# Allegro board Microroc_Hardroc2b_Test_Board.brd (continued)
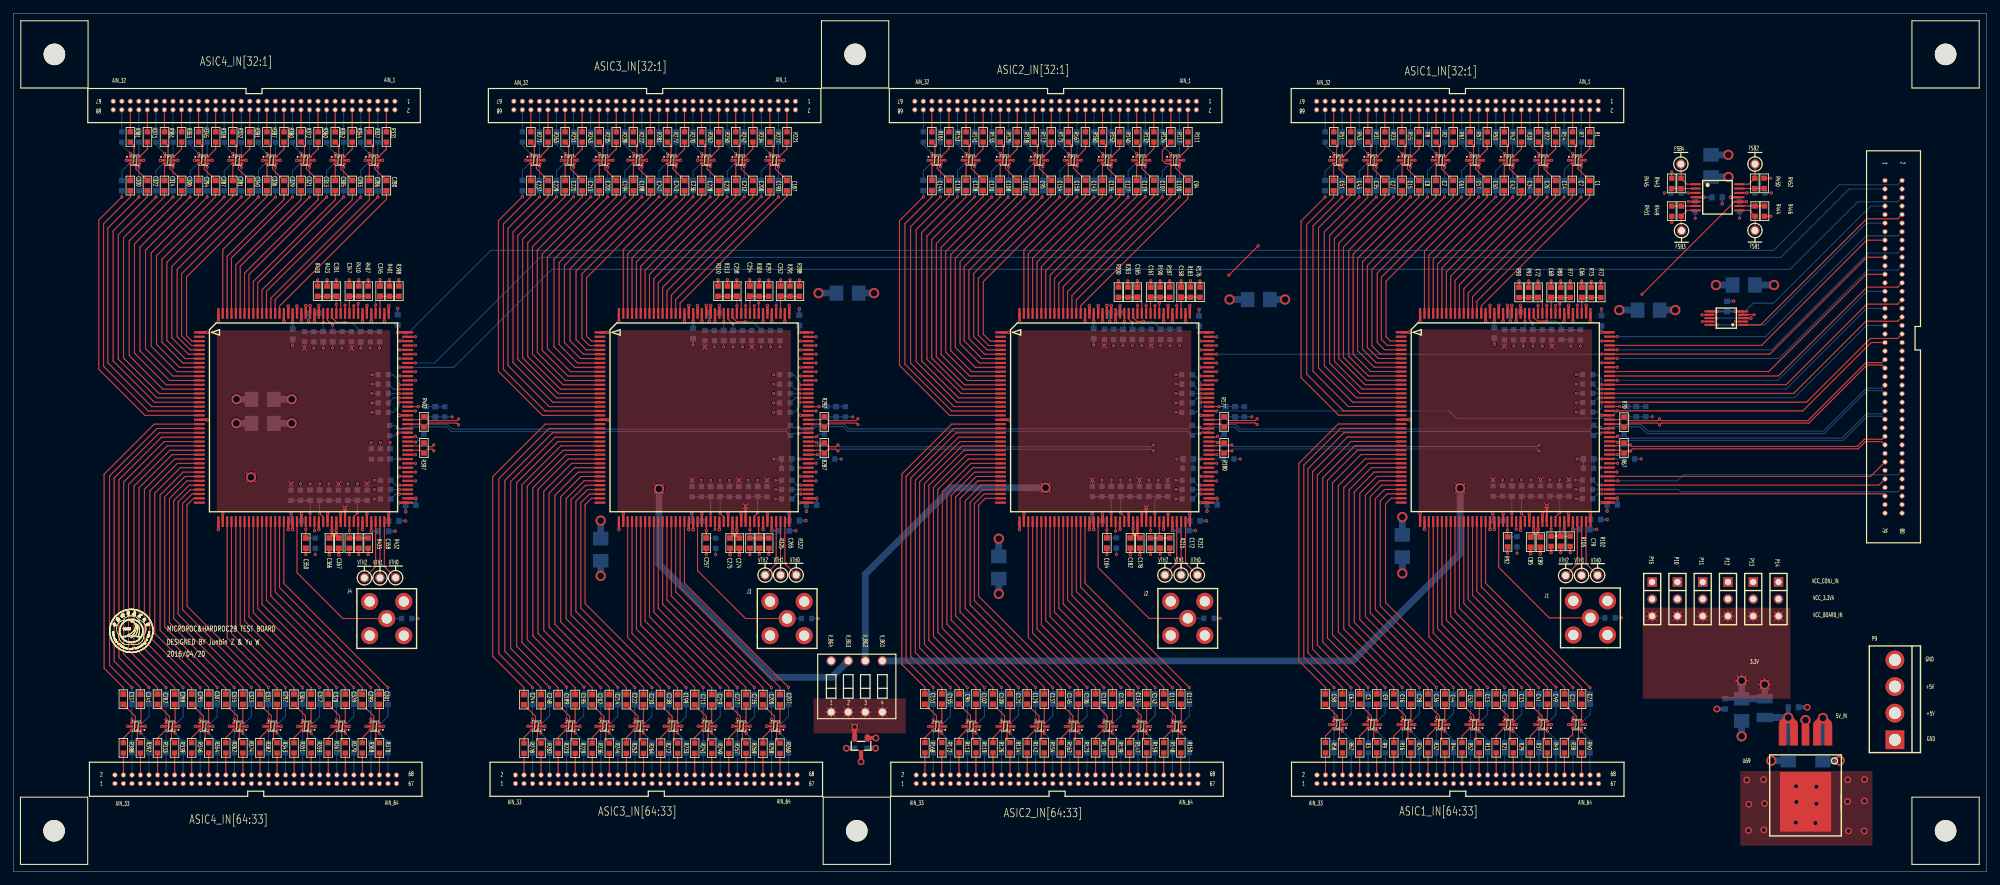
[diagram p0: board, top side]
## Routing (per net, layer and track width the routed paths; a pad name or vN(x,y) marks a point on that pad's centre or on a via; arc(x,y) is an arc through that point) (continued)
VCC3.3VA: length 230.7
  TOP w0.152: R407.1 v1(52.78,88.11) ; R102.1 v1(231.67,47.47) ; v1(112.39,88.09) R297.1 ; U37.5 v2(104.25,105.9) ; v1(57.35,88.11) R398.1 ; v1(45.26,88.11) R420.1 ; R90.1 v1(224.05,87.93) ; R200.1 164.44,87.03 v1(164.44,87.96) ; R288.1 v1(116.97,88.09) ; R322.1 v1(112.39,47.22) ; v1(176.58,87.93) 176.58,87.03 R176.1 ; R77.1 v1(231.67,87.93) ; R310.1 v1(104.85,88.11) ; R72.1 v1(236.22,87.93) ; v1(172.06,87.96) R187.1 ; R432.1 v1(52.78,47.19) ; v1(172.06,47.22) 172.06,48.15 R212.1
  TOP w0.305: U67.5 v2(52.48,21.61) ; U3.5 v1(223.8,105.9) ; U58.5 v2(24.46,105.89) ; U19.5 v1(169.11,105.9) ; U36.5 v2(109.28,105.9) ; U42.5 v2(78.95,105.9) ; U10.5 v1(200.94,21.89) ; U43.5 v2(76.58,21.63) ; U49.5 v2(107.04,21.63) ; U73.4 v2(251.55,100.39) ; U40.5 v2(89.21,105.9) ; U26.5 v1(136.19,21.61) ; U46.5 v2(91.77,21.63) ; U7.5 v1(203.48,105.9) ; U21.5 v1(158.93,105.9) ; U72.5 v2(256.22,83.4) ; U64.5 v2(37.24,21.61) ; U55.5 v2(39.7,105.89) ; U11.5 v1(206.02,21.89) ; U57.5 v2(29.57,105.89) ; U20.5 v1(164.01,105.9) ; U52.5 v2(54.91,105.89) ; U59.5 v2(19.38,105.89) ; U22.5 v1(153.87,105.9) ; U54.5 v2(44.78,105.89) ; U39.5 v2(94.22,105.9) ; U33.5 v1(171.83,21.61) ; U5.5 v1(208.58,105.9) ; U63.5 v2(32.16,21.61) ; U27.5 v1(141.27,21.61) ; U53.5 v2(49.86,105.89) ; U25.5 v1(143.71,105.9) ; U61.5 v2(22.07,21.61) ; U12.5 v1(211.07,21.89) ; U1.5 v1(233.93,105.9) ; U45.5 v2(86.69,21.63) ; U60.5 v2(16.99,21.61) ; U2.5 v1(228.9,105.9) ; U56.5 v2(34.62,105.89) ; U8.5 v1(198.4,105.9) ; U31.5 v1(161.59,21.61) ; U4.5 v1(218.74,105.89) ; U16.5 v1(231.42,21.89) ; U41.5 v2(83.9,105.9) ; U30.5 v1(156.51,21.61) ; U32.5 v1(166.67,21.61) ; U44.5 v2(81.66,21.63) ; U14.5 v1(221.23,21.89) ; U13.5 v1(216.15,21.89) ; U50.5 v2(112.09,21.63) ; U48.5 v2(101.93,21.63) ; U72.6 v2(253.47,83.4) ; U62.5 v2(27.08,21.61) ; U15.5 v1(226.34,21.89) ; U65.5 v2(42.32,21.61) ; U35.5 v2(114.61,105.9) ; U9.5 v1(195.86,21.89) ; U28.5 v1(146.35,21.61) ; U23.5 v1(138.63,105.9) ; U6.5 v1(213.61,105.9) ; U66.5 v2(47.4,21.61) ; U24.5 v1(148.79,105.9) ; U29.5 v1(151.46,21.61) ; U38.5 v2(99.26,105.9) ; U18.5 v1(174.17,105.9) ; U47.5 v2(96.85,21.63)
  TOP w0.33: U34.82 v2(179.14,55.57) ; U34.120 v2(176.42,80.27) ; C182.1 166.62,50.08 v1(166.62,51.02) U34.67 ; U34.80 175.07,53.27 v2(175.06,53.28) ; U51.120 v2(116.93,80.27) ; C85.1 226.23,50.26 v2(226.23,50.93) U17.67 ; C274.1 107.65,50.03 v2(107.65,50.84) U51.68 ; U17.137 v2(224.28,84.3) ; U34.68 v1(167.27,51.01) 167.27,50.03 C178.1 ; U68.82 v2(59.9,55.57) ; U51.82 v2(119.53,55.57) ; U68.143 v2(41.55,81.87) ; U51.67 v2(107,50.83) 107,50.02 C275.1 ; U34.137 v2(164.67,84.28) ; U51.143 v2(101.15,81.92) ; U17.120 v2(236.32,80.29) ; U17.80 234.68,53.31 v2(234.67,53.31) ; U51.60 v2(102.45,53.28) ; C366.1 47.4,50.04 v2(47.4,50.77) U68.67 ; U17.76 v2(232.08,50.93) ; U68.137 v2(45.45,84.28) ; U51.80 115.44,52.11 v2(115.44,53.28) ; U68.120 v2(57.19,80.27) ; U17.82 v2(238.68,55.59) ; v2(53.25,50.67) 53.25,50.68 U68.76 ; C367.1 48.05,50.02 v2(48.05,50.79) U68.68 ; U34.60 v2(162.07,53.2) ; U17.68 v2(226.88,50.93) 226.88,50.16 C89.1 ; U68.60 v2(42.85,53.28) ; U34.76 v1(172.47,50.77) ; U51.137 v2(105.05,84.28) ; U51.76 v2(112.85,50.75) ; U17.143 v2(220.38,81.93) ; U34.143 v2(160.77,81.92) ; U68.80 v2(55.85,53.28) ; U17.60 v2(221.68,53.3)
  TOP w0.61: v4(128.35,19.89) 127.08,19.89 U70.1
  BOTTOM w0.152: v1(224.05,87.93) 224.06,87.93 R96.1 ; R79.1 v1(232.41,58.29) ; R103.1 v1(233.2,78.23) ; R296.1 v1(113.39,55.47) ; R89.1 v1(223.75,47.4) ; R433.1 v1(54.48,77.93) ; R309.1 v1(104.5,47.19) ; R413.1 v1(53.34,71.17) ; R414.1 v1(53.34,72.57) ; R78.2 v1(232.46,56.9) ; R191.1 v1(172.95,73.96) ; R299.1 v1(113.39,58.27) ; R95.1 231.67,47.53 231.67,47.52 v1(231.67,47.47) ; R408.2 v1(53.7,56.87) ; v1(236.22,87.93) 236.19,87.91 R71.1 ; R194.1 v1(172.95,72.57) ; v1(232.56,72.57) 232.77,72.57 232.79,72.59 R84.1 ; R398.1 v1(57.35,88.11) ; R285.1 v1(123.16,61.42) ; R205.1 v1(172.06,47.22) ; R297.1 v1(112.39,88.09) ; R186.1 v1(173,55.47) ; R197.1 v1(172.95,69.77) ; R419.1 v1(44.91,47.19) ; R301.1 v1(113.11,73.96) ; R82.1 231.67,87.93 v1(231.67,87.93) ; R417.1 v1(53.34,69.77) ; v1(116.97,88.09) R288.1 ; R307.1 v1(113.11,69.77) ; R395.1 v1(53.24,63.88) ; R420.1 v1(45.26,88.11) ; R196.1 v1(172.95,68.38) ; R306.1 v1(113.11,68.38) ; R416.1 v1(53.34,68.38) ; R86.1 v1(232.59,68.4) ; v1(52.78,88.11) R407.1 ; R65.1 v1(242.21,61.44) ; v1(52.78,47.19) R432.1 ; R303.1 v1(113.11,71.17) ; R213.1 v1(173.51,78.28) ; R411.1 v1(53.34,73.96) ; R323.1 v1(114.07,78.11) ; R189.1 v1(173,58.27) ; R298.2 v1(113.39,56.87) ; v1(112.39,47.22) R322.1 ; R187.1 v1(172.06,87.96) ; R406.1 v1(53.7,55.47) ; R188.2 v1(173,56.87) ; R199.1 v1(164.13,47.22) ; R76.1 v1(232.54,55.5) ; R409.1 v1(53.7,58.27) ; R178.1 v1(176.58,87.93) ; R175.1 v1(182.58,61.42) ; R206.1 v1(164.44,87.96) ; R83.1 v1(232.59,71.2) ; R81.1 v1(232.59,73.99) ; R193.1 v1(172.95,71.17) ; R304.1 v1(113.11,72.57) ; R87.1 v1(232.59,69.8) ; v1(104.85,88.11) R310.1
  BOTTOM w0.305: v2(251.55,100.39) 252.74,100.39 C382.1 ; v2(256.22,83.4) 255.02,83.4 C380.1 255.01,83.4 v2(253.47,83.4)
  BOTTOM w0.33: C180.1 162.07,52.24 v2(162.07,53.2) ; C365.1 55.85,52.21 v2(55.85,53.28) ; v2(176.42,80.27) 176.42,81.19 C175.1 ; C176.1 v2(175.06,53.28) ; v2(220.38,81.93) 220.38,81.93 C87.1 ; C362.1 57.19,81.37 v2(57.19,80.27) ; C268.1 101.15,80.88 v2(101.15,81.92) ; v2(41.55,81.87) 41.55,80.81 C361.1 ; v2(232.08,50.93) 232.08,50.94 C90.1 ; C88.1 238.68,55.59 v2(238.68,55.59) ; v2(160.77,81.92) 160.77,80.88 C174.1 ; v2(221.68,53.3) 221.68,52.25 C84.1 ; v2(234.67,53.31) C83.1 ; C364.1 59.9,54.56 v2(59.9,55.57) ; v2(224.28,84.3) 224.28,83.32 C82.1 ; C360.1 45.45,83.17 v2(45.45,84.28) ; v2(112.85,50.75) 113.92,50.75 C270.1 ; v2(116.93,80.27) 116.93,81.3 C269.1 ; C368.1 42.85,52.2 v2(42.85,53.28) ; C179.1 179.14,54.61 v2(179.14,55.57) ; v2(53.25,50.67) C363.1 ; v2(164.67,84.28) 164.67,83.21 C181.1 ; v2(102.45,53.28) 102.45,52.21 C273.1 ; C271.1 v2(115.44,53.28) ; C86.1 236.32,80.29 v2(236.32,80.29) ; C267.1 105.05,83.19 v2(105.05,84.28) ; C272.1 119.53,54.59 v2(119.53,55.57) ; v1(172.47,50.77) C177.1
  BOTTOM w0.61: C378.1 v4(128.35,19.89)
  BOTTOM w1.016: C371.1 v3(41.4,66.73) ; C91.1 v3(206.68,52.78) ; C370.1 v3(41.4,70.31) ; C277.1 v3(119.81,86.12) ; C278.1 v3(87.39,52.25) ; C184.1 v3(146.63,49.56) ; C92.1 v3(238.96,83.59) ; C381.1 v3(262,87.33) ; C383.1 v3(255.22,103.4) ; C185.1 v3(180.97,85.17)
VCC_BRD_IN: length 70.1
  TOP w0.127: 254.47,37.36 P12.3 ; P12.3 255.14,38.91 ; P12.3 256.02,38.03 ; P12.3 255.81,38.7 ; P12.3 255.81,37.36 ; P12.3 255.14,37.15 ; P12.3 254.27,38.03 ; P12.3 254.47,38.7 ; 246.95,38.7 P10.3 ; P10.3 248.3,37.36 ; P10.3 247.62,38.91 ; P10.3 248.3,38.7 ; P10.3 246.75,38.03 ; P10.3 246.95,37.36 ; P10.3 248.5,38.03 ; P10.3 247.62,37.15 ; P11.3 251.38,38.91 ; P11.3 250.71,38.7 ; P11.3 251.38,37.15 ; P11.3 250.71,37.36 ; P11.3 252.05,38.7 ; P11.3 252.05,37.36 ; P11.3 252.26,38.03 ; P11.3 250.51,38.03 ; P14.3 263.33,38.7 ; P14.3 261.79,38.03 ; P14.3 262.66,37.15 ; P14.3 263.54,38.03 ; P14.3 262.66,38.91 ; P14.3 263.33,37.36 ; P14.3 261.99,38.7 ; P14.3 261.99,37.36 ; v3(257.18,28.42) 257.89,29.14 ; v3(257.18,28.42) 257.89,27.71 ; v3(257.18,28.42) 256.46,29.14 ; v3(257.18,28.42) 258.11,28.42 ; v3(257.18,28.42) 256.46,27.71 ; v3(257.18,28.42) 257.18,29.36 ; v3(257.18,28.42) 257.18,27.48 ; v3(257.18,28.42) 256.24,28.42 ; P13.3 259.57,38.7 ; P13.3 258.9,37.15 ; P13.3 259.78,38.03 ; P13.3 259.57,37.36 ; P13.3 258.23,38.7 ; P13.3 258.9,38.91 ; P13.3 258.23,37.36 ; P13.3 258.03,38.03 ; P15.3 244.54,37.36 ; P15.3 244.74,38.03 ; P15.3 243.87,38.91 ; P15.3 242.99,38.03 ; P15.3 243.19,37.36 ; P15.3 244.54,38.7 ; P15.3 243.87,37.15 ; P15.3 243.19,38.7 ; v3(260.6,27.84) 261.54,27.84 ; v3(260.6,27.84) 259.89,27.12 ; v3(260.6,27.84) 260.6,28.78 ; v3(260.6,27.84) 259.66,27.84 ; v3(260.6,27.84) 261.32,28.55 ; v3(260.6,27.84) 261.32,27.12 ; v3(260.6,27.84) 260.6,26.9 ; v3(260.6,27.84) 259.89,28.55
  BOTTOM w0.61: C377.1 C375.1
  BOTTOM w1.016: v3(257.18,28.42) C377.1 L1.2 v3(260.6,27.84)
A0: length 30.5
  TOP w0.152: U71.10 280.42,97.18 275.79,97.18 260.01,81.4 U72.1
A1: length 32.4
  TOP w0.152: U72.10 v1(253.54,81.4)
  BOTTOM w0.152: U71.11 275.74,96.55 260.59,81.4 v1(253.54,81.4)
AIN1_ASIC1: length 24.9
  TOP w0.152: C1.2 234.56,100.34 218.43,84.21 U17.146
AIN1_ASIC2: length 24.9
  TOP w0.152: U34.146 158.82,84.24 174.77,100.19 C94.2
AIN1_ASIC3: length 24.9
  TOP w0.152: U51.146 99.2,84.62 115.11,100.53 C187.2
AIN1_ASIC4: length 24.9
  TOP w0.152: U68.146 39.6,84.19 55.5,100.09 C280.2
AIN2_ASIC1: length 24.7
  TOP w0.152: U17.147 217.78,84.92 v1(233.29,100.43)
  BOTTOM w0.152: v1(233.29,100.43) C4.2
AIN2_ASIC2: length 24.7
  TOP w0.152: v1(173.51,100.46) 158.17,85.12 U34.147
  BOTTOM w0.152: v1(173.51,100.46) C97.2
AIN2_ASIC3: length 24.6
  TOP w0.152: U51.147 98.55,85.17 v1(113.84,100.46)
  BOTTOM w0.152: C190.2 v1(113.84,100.46)
AIN2_ASIC4: length 24.6
  TOP w0.152: U68.147 38.95,85.15 v1(54.23,100.43)
  BOTTOM w0.152: C283.2 v1(54.23,100.43)
AIN3_ASIC1: length 24.4
  TOP w0.152: C7.2 231.99,100.44 217.13,85.58 U17.148
AIN3_ASIC2: length 24.4
  TOP w0.152: C100.2 172.24,100.46 157.52,85.74 U34.148
AIN3_ASIC3: length 24.3
  TOP w0.152: C193.2 112.56,100.47 97.9,85.81 U51.148
AIN3_ASIC4: length 24.4
  TOP w0.152: C286.2 52.97,100.04 38.3,85.36 U68.148
AIN4_ASIC1: length 24.2
  TOP w0.152: v1(230.77,100.43) 216.48,86.14 U17.149
  BOTTOM w0.152: v1(230.77,100.43) C10.2
AIN4_ASIC2: length 24.1
  TOP w0.152: v1(170.97,100.46) 156.87,86.36 U34.149
  BOTTOM w0.152: v1(170.97,100.46) C103.2
AIN4_ASIC3: length 24.1
  TOP w0.152: v1(111.28,100.48) 97.25,86.46 U51.149
  BOTTOM w0.152: C196.2 v1(111.28,100.48)
AIN4_ASIC4: length 24.1
  TOP w0.152: v1(51.69,100.43) 37.65,86.39 U68.149
  BOTTOM w0.152: C289.2 v1(51.69,100.43)
AIN5_ASIC1: length 23.9
  TOP w0.152: U17.150 215.83,86.77 229.5,100.44 C14.2
AIN5_ASIC2: length 23.9
  TOP w0.152: U34.150 156.22,87.08 169.7,100.56 C107.2
AIN5_ASIC3: length 23.8
  TOP w0.152: U51.150 96.6,86.98 110.03,100.41 C200.2
AIN5_ASIC4: length 23.8
  TOP w0.152: C293.2 50.43,100.04 37,86.6 U68.150
AIN6_ASIC1: length 23.7
  TOP w0.152: v1(228.23,100.42) 215.18,87.36 U17.151
  BOTTOM w0.152: v1(228.23,100.42) C18.2
AIN6_ASIC2: length 23.6
  TOP w0.152: v1(168.43,100.46) 155.57,87.6 U34.151
  BOTTOM w0.152: v1(168.43,100.46) C115.2
AIN6_ASIC3: length 23.6
  TOP w0.152: U51.151 95.95,87.65 v1(108.76,100.46)
  BOTTOM w0.152: C204.2 v1(108.76,100.46)
AIN6_ASIC4: length 23.6
  TOP w0.152: v1(49.15,100.43) 36.35,87.63 U68.151
  BOTTOM w0.152: C297.2 v1(49.15,100.43)
AIN7_ASIC1: length 23.4
  TOP w0.152: U17.152 214.53,88.01 226.94,100.42 C26.2
AIN7_ASIC2: length 23.4
  TOP w0.152: U34.152 154.92,88.29 167.16,100.53 C119.2
AIN7_ASIC3: length 23.3
  TOP w0.152: C212.2 107.49,100.46 95.3,88.27 U51.152
AIN7_ASIC4: length 23.3
  TOP w0.152: C305.2 47.89,100.04 35.7,87.84 U68.152
AIN8_ASIC1: length 23.2
  TOP w0.152: v1(225.69,100.44) 213.88,88.63 U17.153
  BOTTOM w0.152: v1(225.69,100.44) C30.2
AIN8_ASIC2: length 23.1
  TOP w0.152: U34.153 154.27,88.78 v1(165.89,100.41)
  BOTTOM w0.152: v1(165.89,100.41) C123.2
AIN8_ASIC3: length 23.1
  TOP w0.152: v1(106.22,100.46) 94.65,88.89 U51.153
  BOTTOM w0.152: C216.2 v1(106.22,100.46)
AIN8_ASIC4: length 23.1
  TOP w0.152: v1(46.61,100.43) 35.05,88.87 U68.153
  BOTTOM w0.152: C309.2 v1(46.61,100.43)
AIN9_ASIC1: length 22.9
  TOP w0.152: C34.2 224.4,100.44 213.23,89.28 U17.154
AIN9_ASIC2: length 22.9
  TOP w0.152: C127.2 164.62,100.46 153.62,89.46 U34.154
AIN9_ASIC3: length 22.8
  TOP w0.152: C220.2 104.95,100.48 94,89.53 U51.154
AIN9_ASIC4: length 22.8
  TOP w0.152: C313.2 45.34,100.04 34.4,89.1 U68.154
AIN10_ASIC1: length 22.6
  TOP w0.152: v1(223.13,100.43) 212.58,89.88 U17.155
  BOTTOM w0.152: v1(223.13,100.43) C38.2
AIN10_ASIC2: length 22.6
  TOP w0.152: v1(163.35,100.46) 152.97,90.08 U34.155
  BOTTOM w0.152: v1(163.35,100.46) C131.2
AIN10_ASIC3: length 22.6
  TOP w0.152: v1(103.68,100.46) 93.35,90.13 U51.155
  BOTTOM w0.152: C224.2 v1(103.68,100.46)
AIN10_ASIC4: length 22.5
  TOP w0.152: U68.155 33.75,90.11 v1(44.07,100.43)
  BOTTOM w0.152: C317.2 v1(44.07,100.43)
AIN11_ASIC1: length 22.4
  TOP w0.152: U17.156 211.93,90.44 221.86,100.37 C42.2
AIN11_ASIC2: length 22.3
  TOP w0.152: C135.2 162.05,100.48 152.32,90.75 U34.156
AIN11_ASIC3: length 22.3
  TOP w0.152: U51.156 92.7,90.75 102.41,100.46 C228.2
AIN11_ASIC4: length 22.3
  TOP w0.152: U68.156 33.1,90.34 42.8,100.04 C321.2
AIN12_ASIC1: length 22.1
  TOP w0.152: v1(220.59,100.44) 211.28,91.13 U17.157
  BOTTOM w0.152: v1(220.59,100.44) C46.2
AIN12_ASIC2: length 22.1
  TOP w0.152: U34.157 151.67,91.32 v1(160.81,100.46)
  BOTTOM w0.152: v1(160.81,100.46) C139.2
AIN12_ASIC3: length 22
  TOP w0.152: U51.157 92.05,91.37 v1(101.14,100.46)
  BOTTOM w0.152: C232.2 v1(101.14,100.46)
AIN12_ASIC4: length 22
  TOP w0.152: U68.157 32.45,91.35 v1(41.53,100.43)
  BOTTOM w0.152: C325.2 v1(41.53,100.43)
AIN13_ASIC1: length 21.9
  TOP w0.152: U17.158 210.63,91.73 219.32,100.42 C50.2
AIN13_ASIC2: length 21.8
  TOP w0.152: U34.158 151.02,91.99 159.55,100.52 C143.2
AIN13_ASIC3: length 21.8
  TOP w0.152: C236.2 99.87,100.43 91.4,91.96 U51.158
AIN13_ASIC4: length 21.8
  TOP w0.152: C329.2 40.26,100.06 31.8,91.6 U68.158
AIN14_ASIC1: length 21.6
  TOP w0.152: U17.159 209.98,92.37 v1(218.05,100.44)
  BOTTOM w0.152: v1(218.05,100.44) C54.2
AIN14_ASIC2: length 21.6
  TOP w0.152: v1(158.27,100.46) 150.37,92.56 U34.159
  BOTTOM w0.152: v1(158.27,100.46) C147.2
AIN14_ASIC3: length 21.5
  TOP w0.152: v1(98.6,100.46) 90.75,92.61 U51.159
  BOTTOM w0.152: C240.2 v1(98.6,100.46)
AIN14_ASIC4: length 21.5
  TOP w0.152: v1(38.99,100.43) 31.15,92.59 U68.159
  BOTTOM w0.152: C333.2 v1(38.99,100.43)
AIN15_ASIC1: length 29.5
  TOP w0.152: U17.3 204.88,78.99 204.27,79.6 204.27,87.91 216.8,100.44 C57.2
AIN15_ASIC2: length 29.6
  TOP w0.152: C150.2 156.99,100.5 144.32,87.83 144.32,80.01 145.36,78.97 U34.3
AIN15_ASIC3: length 28.9
  TOP w0.152: U51.3 86.03,78.97 85.29,79.71 85.29,88.42 97.32,100.44 C243.2
AIN15_ASIC4: length 28.8
  TOP w0.152: U68.3 26.56,78.97 25.76,79.78 25.76,88.52 37.72,100.48 C336.2
AIN16_ASIC1: length 30.4
  TOP w0.152: U17.4 204.46,78.34 203.56,79.25 203.56,88.48 v1(215.51,100.43)
  BOTTOM w0.152: v1(215.51,100.43) C59.2
AIN16_ASIC2: length 30.5
  TOP w0.152: v1(155.68,100.41) 143.59,88.32 143.59,79.86 145.12,78.32 U34.4
  BOTTOM w0.152: C152.2 155.68,101.37 v1(155.68,100.41)
AIN16_ASIC3: length 29.8
  TOP w0.152: v1(96.06,100.46) 84.61,89 84.61,79.43 85.71,78.32 U51.4
  BOTTOM w0.152: C245.2 v1(96.06,100.46)
AIN16_ASIC4: length 29.6
  TOP w0.152: v1(36.45,100.43) 25.02,89 25.02,79.78 26.48,78.32 U68.4
  BOTTOM w0.152: C338.2 v1(36.45,100.43)
AIN17_ASIC1: length 31.3
  TOP w0.152: C61.2 214.24,100.39 202.95,89.1 202.95,78.77 204.02,77.69 U17.5
AIN17_ASIC2: length 31.3
  TOP w0.152: C154.2 154.45,100.6 142.9,89.05 142.9,79.65 144.88,77.67 U34.5
AIN17_ASIC3: length 31
  TOP w0.152: U51.5 85.24,77.67 83.72,79.2 83.72,89.41 94.81,100.5 C247.2
AIN17_ASIC4: length 30.3
  TOP w0.152: U68.5 26.31,77.67 24.36,79.63 24.36,89.64 35.18,100.46 C340.2
AIN18_ASIC1: length 32.4
  TOP w0.152: v1(212.97,100.44) 202.16,89.64 202.16,78.28 203.4,77.04 U17.6
  BOTTOM w0.152: v1(212.97,100.44) C63.2
AIN18_ASIC2: length 32.3
  TOP w0.152: v1(153.09,100.41) 142.19,89.51 142.19,79.35 144.52,77.02 U34.6
  BOTTOM w0.152: v1(153.09,100.41) 153.09,101.3 C156.2
AIN18_ASIC3: length 32.1
  TOP w0.152: U51.6 84.83,77.02 82.83,79.02 82.83,89.76 v1(93.52,100.46)
  BOTTOM w0.152: C249.2 v1(93.52,100.46)
AIN18_ASIC4: length 31.3
  TOP w0.152: U68.6 26.02,77.02 23.57,79.48 23.57,90.09 v1(33.91,100.43)
  BOTTOM w0.152: C342.2 v1(33.91,100.43)
AIN19_ASIC1: length 33.3
  TOP w0.152: U17.7 203.11,76.39 201.47,78.03 201.47,90.22 211.7,100.44 C2.2
AIN19_ASIC2: length 33.2
  TOP w0.152: C95.2 151.91,100.5 141.48,90.07 141.48,79.02 144.12,76.37 U34.7
AIN19_ASIC3: length 33.1
  TOP w0.152: C188.2 92.27,100.5 81.99,90.22 81.99,78.77 84.38,76.37 U51.7
AIN19_ASIC4: length 32.3
  TOP w0.152: U68.7 25.53,76.37 22.83,79.07 22.83,90.7 32.64,100.51 C281.2
AIN20_ASIC1: length 34.2
  TOP w0.152: v1(210.43,100.43) 200.76,90.77 200.76,77.77 202.8,75.74 U17.8
  BOTTOM w0.152: v1(210.43,100.43) C5.2
AIN20_ASIC2: length 34.1
  TOP w0.152: v1(150.47,100.41) 140.87,90.81 140.87,78.59 143.73,75.72 U34.8
  BOTTOM w0.152: v1(150.47,100.41) 150.47,101.22 C98.2
AIN20_ASIC3: length 34.2
  TOP w0.152: U51.8 83.94,75.72 81.2,78.46 81.2,90.68 v1(90.98,100.46)
  BOTTOM w0.152: C191.2 v1(90.98,100.46)
AIN20_ASIC4: length 33.3
  TOP w0.152: U68.8 25.19,75.72 22.1,78.82 22.1,91.16 v1(31.37,100.43)
  BOTTOM w0.152: C284.2 v1(31.37,100.43)
AIN21_ASIC1: length 35.1
  TOP w0.152: U17.9 202.48,75.09 200.03,77.55 200.03,91.31 209.16,100.44 C8.2
AIN21_ASIC2: length 35.1
  TOP w0.152: C101.2 149.38,100.53 140.16,91.31 140.16,78.05 143.14,75.07 U34.9
AIN21_ASIC3: length 35.2
  TOP w0.152: C194.2 89.71,100.43 80.44,91.16 80.44,78.16 83.52,75.07 U51.9
AIN21_ASIC4: length 34.3
  TOP w0.152: C287.2 30.09,100.47 21.29,91.67 21.29,78.49 24.7,75.07 U68.9
AIN22_ASIC1: length 36.1
  TOP w0.152: U17.10 201.96,74.44 199.36,77.04 199.36,91.91 v1(207.89,100.43)
  BOTTOM w0.152: v1(207.89,100.43) C11.2
AIN22_ASIC2: length 36.1
  TOP w0.152: v1(148.03,100.41) 139.47,91.85 139.47,77.55 142.59,74.42 U34.10
  BOTTOM w0.152: C104.2 148.03,101.32 v1(148.03,100.41)
AIN22_ASIC3: length 36.5
  TOP w0.152: v1(88.44,100.46) 79.45,91.47 79.45,77.88 82.9,74.42 U51.10
  BOTTOM w0.152: C197.2 v1(88.44,100.46)
AIN22_ASIC4: length 35.3
  TOP w0.152: U68.10 24.31,74.42 20.5,78.23 20.5,92.1 v1(28.83,100.43)
  BOTTOM w0.152: C290.2 v1(28.83,100.43)
AIN23_ASIC1: length 37
  TOP w0.152: U17.11 201.62,73.79 198.7,76.71 198.7,92.48 206.64,100.42 C15.2
AIN23_ASIC2: length 37
  TOP w0.152: U34.11 142.3,73.77 138.73,77.34 138.73,92.33 146.84,100.43 C108.2
AIN23_ASIC3: length 37.5
  TOP w0.152: U51.11 82.51,73.77 78.69,77.6 78.69,91.92 87.17,100.41 C201.2
AIN23_ASIC4: length 36.5
  TOP w0.152: U68.11 23.74,73.77 19.66,77.85 19.66,92.53 27.55,100.42 C294.2
AIN24_ASIC1: length 37.9
  TOP w0.152: v1(205.36,100.43) 197.92,92.99 197.92,76.58 201.36,73.14 U17.12
  BOTTOM w0.152: v1(205.36,100.43) 205.36,101.36 C19.2
AIN24_ASIC2: length 38
  TOP w0.152: U34.12 141.91,73.12 138.05,76.99 138.05,92.91 v1(145.59,100.46)
  BOTTOM w0.152: C116.2 145.59,101.37 v1(145.59,100.46)
AIN24_ASIC3: length 38.4
  TOP w0.152: U51.12 82.12,73.12 77.95,77.29 77.95,92.51 v1(85.9,100.46)
  BOTTOM w0.152: C209.2 v1(85.9,100.46)
AIN24_ASIC4: length 37.6
  TOP w0.152: U68.12 23.22,73.12 18.82,77.52 18.82,92.96 v1(26.29,100.43)
  BOTTOM w0.152: C298.2 v1(26.29,100.43)
AIN25_ASIC1: length 38.7
  TOP w0.152: U17.13 201.12,72.49 197.23,76.38 197.23,93.55 204.08,100.39 C27.2
AIN25_ASIC2: length 38.9
  TOP w0.152: C120.2 144.3,100.48 137.34,93.52 137.34,76.66 141.52,72.47 U34.13
AIN25_ASIC3: length 39.3
  TOP w0.152: C213.2 84.63,100.43 77.24,93.04 77.24,77.01 81.78,72.47 U51.13
AIN25_ASIC4: length 38.7
  TOP w0.152: C306.2 25.03,100.47 18.01,93.45 18.01,77.19 22.73,72.47 U68.13
AIN26_ASIC1: length 39.6
  TOP w0.152: v1(202.81,100.44) 196.57,94.21 196.57,75.97 200.7,71.84 U17.14
  BOTTOM w0.152: v1(202.81,100.44) C31.2
AIN26_ASIC2: length 39.7
  TOP w0.152: U34.14 141.28,71.82 136.65,76.45 136.65,94.08 v1(143.03,100.46)
  BOTTOM w0.152: v1(143.03,100.46) C124.2
AIN26_ASIC3: length 40.3
  TOP w0.152: U51.14 81.39,71.82 76.53,76.68 76.53,93.62 v1(83.36,100.46)
  BOTTOM w0.152: C217.2 v1(83.36,100.46)
AIN26_ASIC4: length 39.8
  TOP w0.152: v1(23.75,100.43) 17.22,93.9 17.22,76.84 22.23,71.82 U68.14
  BOTTOM w0.152: C310.2 v1(23.75,100.43)
AIN27_ASIC1: length 40.5
  TOP w0.152: U17.15 200.36,71.19 195.86,75.69 195.86,94.72 201.54,100.39 C35.2
AIN27_ASIC2: length 40.6
  TOP w0.152: C128.2 141.76,100.43 135.94,94.62 135.94,76.28 141.04,71.17 U34.15
AIN27_ASIC3: length 41.2
  TOP w0.152: C221.2 82.11,100.5 75.77,94.16 75.77,76.48 81.07,71.17 U51.15
AIN27_ASIC4: length 40.9
  TOP w0.152: C314.2 22.48,100.48 16.38,94.39 16.38,76.48 21.69,71.17 U68.15
AIN28_ASIC1: length 41.6
  TOP w0.152: v1(200.27,100.43) 195.07,95.24 195.07,75.31 199.84,70.54 U17.16
  BOTTOM w0.152: v1(200.27,100.43) C39.2
AIN28_ASIC2: length 41.6
  TOP w0.152: U34.16 140.65,70.52 135.15,76.02 135.15,95.12 v1(140.49,100.46)
  BOTTOM w0.152: v1(140.49,100.46) C132.2
AIN28_ASIC3: length 42.1
  TOP w0.152: v1(80.82,100.46) 75.06,94.69 75.06,76.28 80.81,70.52 U51.16
  BOTTOM w0.152: C225.2 v1(80.82,100.46)
AIN28_ASIC4: length 41.9
  TOP w0.152: U68.16 21.35,70.52 15.6,76.28 15.6,94.82 v1(21.21,100.43)
  BOTTOM w0.152: C318.2 v1(21.21,100.43)
AIN29_ASIC1: length 42.8
  TOP w0.152: C43.2 199,100.65 194.21,95.86 194.21,74.98 199.3,69.89 U17.17
AIN29_ASIC2: length 42.6
  TOP w0.152: U34.17 140.39,69.87 134.34,75.92 134.34,95.58 139.22,100.46 C136.2
AIN29_ASIC3: length 43.1
  TOP w0.152: U51.17 80.27,69.87 74.35,75.79 74.35,95.22 79.57,100.44 C229.2
AIN29_ASIC4: length 42.8
  TOP w0.152: C322.2 19.94,100.48 14.83,95.38 14.83,76.02 20.98,69.87 U68.17
AIN30_ASIC1: length 44
  TOP w0.152: v1(197.73,100.44) 193.4,96.11 193.4,74.5 198.65,69.24 U17.18
  BOTTOM w0.152: v1(197.73,100.44) C47.2
AIN30_ASIC2: length 43.6
  TOP w0.152: v1(137.95,100.46) 133.5,96.01 133.5,75.69 139.97,69.22 U34.18
  BOTTOM w0.152: v1(137.95,100.46) C140.2
AIN30_ASIC3: length 44.2
  TOP w0.152: U51.18 79.72,69.22 73.58,75.36 73.58,95.76 v1(78.28,100.46)
  BOTTOM w0.152: C233.2 v1(78.28,100.46)
AIN30_ASIC4: length 43.9
  TOP w0.152: v1(18.67,100.43) 14.05,95.81 14.05,75.74 20.57,69.22 U68.18
  BOTTOM w0.152: C326.2 v1(18.67,100.43)
AIN31_ASIC1: length 45.3
  TOP w0.152: C51.2 196.46,100.34 192.46,96.34 192.46,74.07 197.93,68.59 U17.19
AIN31_ASIC2: length 44.6
  TOP w0.152: U34.19 139.63,68.57 132.66,75.54 132.66,96.44 136.68,100.46 C144.2
AIN31_ASIC3: length 45.2
  TOP w0.152: U51.19 79.1,68.57 72.9,74.78 72.9,96.39 77,100.5 C237.2
AIN31_ASIC4: length 44.8
  TOP w0.152: U68.19 20.07,68.57 13.41,75.23 13.41,96.44 17.4,100.43 C330.2
AIN32_ASIC1: length 46.5
  TOP w0.152: v1(195.19,100.42) 191.62,96.85 191.62,73.53 197.21,67.94 U17.20
  BOTTOM w0.152: v1(195.19,100.42) C55.2
AIN32_ASIC2: length 45.6
  TOP w0.152: U34.20 139.29,67.92 131.85,75.36 131.85,96.9 v1(135.41,100.46)
  BOTTOM w0.152: v1(135.41,100.46) C148.2
AIN32_ASIC3: length 46.2
  TOP w0.152: U51.20 78.71,67.92 72.16,74.47 72.16,96.9 v1(75.74,100.48)
  BOTTOM w0.152: C241.2 v1(75.74,100.48)
AIN32_ASIC4: length 45.8
  TOP w0.152: U68.20 19.55,67.92 12.7,74.78 12.7,97 v1(16.13,100.43)
  BOTTOM w0.152: C334.2 v1(16.13,100.43)
AIN33_ASIC1: length 53.6
  TOP w0.152: U17.22 197.14,66.64 191.29,60.78 191.29,31.37 195.24,27.42 C58.2
AIN33_ASIC2: length 51.9
  TOP w0.152: U34.22 139.62,66.62 132.21,59.21 132.21,30.86 135.62,27.45 C151.2
AIN33_ASIC3: length 53.5
  TOP w0.152: C244.2 75.96,27.42 71.32,32.05 71.32,58.8 79.15,66.62 U51.22
AIN33_ASIC4: length 51.2
  TOP w0.152: C337.2 16.36,27.41 13.49,30.28 13.49,59.16 20.95,66.62 U68.22
AIN34_ASIC1: length 52.7
  TOP w0.152: U17.23 197.51,65.99 192.02,60.5 192.02,31.9 v1(196.52,27.41)
  BOTTOM w0.152: v1(196.52,27.41) C60.2
AIN34_ASIC2: length 51.1
  TOP w0.152: U34.23 139.96,65.97 132.84,58.85 132.84,31.47 v1(136.88,27.43)
  BOTTOM w0.152: v1(136.88,27.43) C153.2
AIN34_ASIC3: length 52.3
  TOP w0.152: U51.23 79.71,65.97 72.24,58.5 72.24,32.44 v1(77.24,27.43)
  BOTTOM w0.152: v1(77.24,27.43) C246.2
AIN34_ASIC4: length 50.2
  TOP w0.152: v1(17.63,27.41) 14.3,30.73 14.3,58.9 21.37,65.97 U68.23
  BOTTOM w0.152: C339.2 v1(17.63,27.41)
AIN35_ASIC1: length 51.8
  TOP w0.152: U17.24 198,65.34 192.63,59.97 192.63,32.56 197.78,27.42 C62.2
AIN35_ASIC2: length 50.2
  TOP w0.152: U34.24 140.28,65.32 133.53,58.57 133.53,32.05 138.16,27.42 C155.2
AIN35_ASIC3: length 51.2
  TOP w0.152: U51.24 80.21,65.32 73.13,58.24 73.13,32.79 78.51,27.41 C248.2
AIN35_ASIC4: length 49.3
  TOP w0.152: C341.2 18.9,27.41 14.99,31.32 14.99,58.6 21.71,65.32 U68.24
AIN36_ASIC1: length 50.8
  TOP w0.152: v1(199.06,27.38) 193.32,33.12 193.32,59.51 198.5,64.69 U17.25
  BOTTOM w0.152: v1(199.06,27.38) C64.2
AIN36_ASIC2: length 49.3
  TOP w0.152: U34.25 140.64,64.67 134.21,58.24 134.21,32.61 v1(139.42,27.41)
  BOTTOM w0.152: v1(139.42,27.41) C157.2
AIN36_ASIC3: length 50.1
  TOP w0.152: v1(79.78,27.43) 73.99,33.22 73.99,58.06 80.6,64.67 U51.25
  BOTTOM w0.152: v1(79.78,27.43) C250.2
AIN36_ASIC4: length 48.4
  TOP w0.152: v1(20.17,27.41) 15.7,31.88 15.7,58.32 22.05,64.67 U68.25
  BOTTOM w0.152: C343.2 v1(20.17,27.41)
AIN37_ASIC1: length 49.8
  TOP w0.152: U17.26 199.04,64.04 194.03,59.03 194.03,33.73 200.34,27.42 C3.2
AIN37_ASIC2: length 48.5
  TOP w0.152: U34.26 140.86,64.02 134.85,58.01 134.85,33.3 140.72,27.42 C96.2
AIN37_ASIC3: length 49
  TOP w0.152: U51.26 81.04,64.02 74.88,57.86 74.88,33.55 81.05,27.38 C189.2